# Altium PCB ble_lock_2020-10-10.PcbDoc (part 2 of 5)
Units mm, origin at the board's own origin, x right, y up, seen from the top; angles counter-clockwise.
Board outline 58 x 27 mm, 2 copper layers (Top Layer, Bottom Layer); 590 components, 46 nets, 1844 pads, 2190 vias.
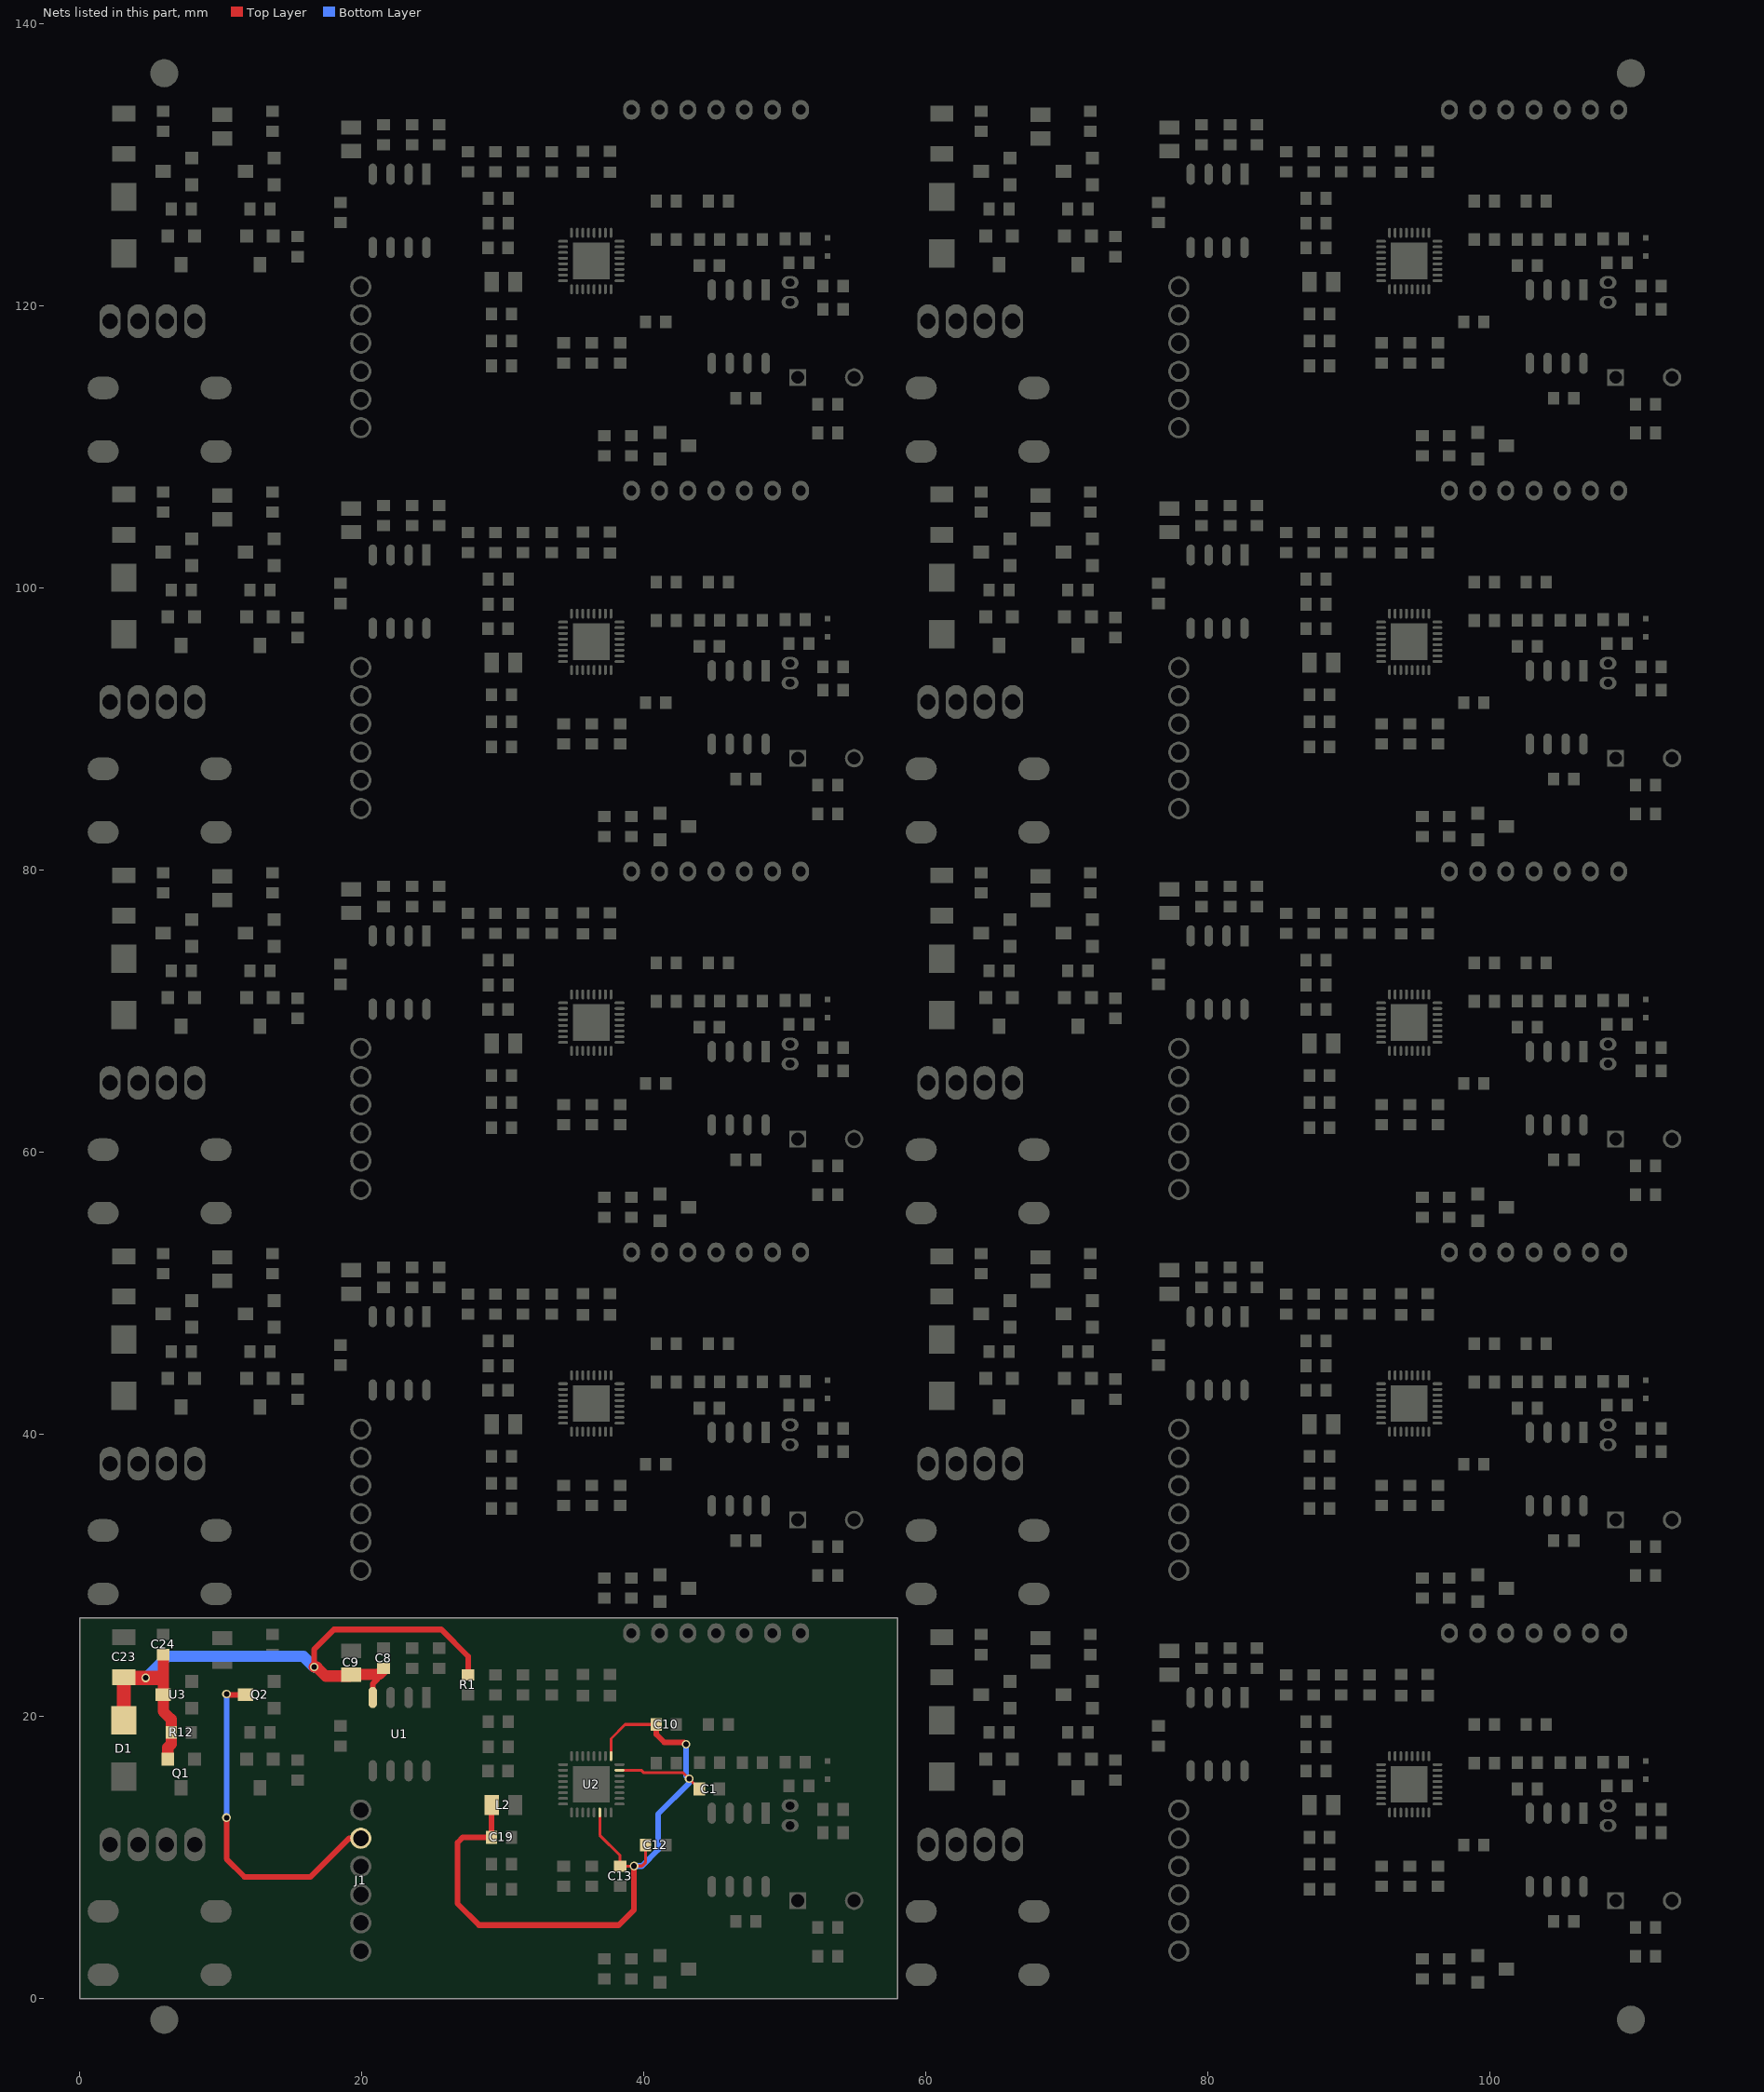
[diagram p2: the nets of this part, all layers, seen from the top]

## Via types
v1: diameter 0.6, hole 0.4, Top Layer to Bottom Layer, 2190 vias

## Nets (pads, with @x,y where several pads share a name; then routed paths per layer and width w, separated by ;. In a path a pad name is that pad's centre, name@x,y a point inside that pad or via, vN(x,y) a via of type N, cw(c..) or ccw(c..) an arc to the next point about the centre after c; other vN are vias at no path point) (continued)
VBAT: C8.1@21.551,23.419 C9.1@19.265,22.971 C23.1@3.136,22.784 C24.1@5.93,24.384 D1.2@3.136,19.729 Q1.S@6.25,16.967 R1.1@27.552,22.936 R12.1@6.489,18.872 U1.4@20.789,21.345 U3.3@5.93,21.539 | length 49
  Top Layer w0.4: v1(16.637,23.495) 16.637,24.765 18.034,26.162 25.654,26.162 27.552,24.264 R1.1@27.552,22.936 ; U1.4@20.789,21.345 20.789,22.313 21.551,23.075 C8.1@21.551,23.297
  Top Layer w0.8: C24.1@5.93,24.384 U3.3@5.93,21.539 5.93,20.359 6.489,19.8 R12.1@6.489,18.872 6.489,18.046 6.25,17.807 Q1.S@6.25,16.967 ; v1(16.637,23.495) 16.811,23.495 17.446,22.86 19.154,22.86 C9.1@19.265,22.971 21.225,22.971 21.551,23.297 C8.1@21.551,23.419
  Top Layer w1: D1.2@3.136,19.729 C23.1@3.136,22.784 3.187,22.733 v1(4.699,22.733) 5.842,22.733
  Bottom Layer w0.8: v1(4.699,22.733) 6.223,24.257 15.875,24.257 v1(16.637,23.495)
VDD: C1.2@43.944,14.859 C10.2@40.896,19.431 C12.2@40.144,10.871 C13.2@38.324,9.382 C19.2@29.212,11.43 L2.1@29.212,13.716 U2.1@37.683,17.189 U2.22@36.883,13.189 U2.31@38.283,16.189 | length 58.3
  Top Layer w0.2: U2.22@36.883,13.189 36.883,11.582 38.324,10.141 C13.2@38.324,9.382 v1@39.311,9.382 ; U2.1@37.683,17.189 37.683,18.428 38.686,19.431 C10.2@40.896,19.431 ; U2.31@38.283,16.189 39.82,16.189 40.009,16 42.803,16 v1(43.22,15.583) C1.2@43.944,14.859 ; v1(39.321,9.398) 39.878,9.398 40.144,9.664 C12.2@40.144,10.871
  Top Layer w0.4: L2.1@29.212,13.716 C19.2@29.212,11.43 27.178,11.43 26.797,11.049 26.797,6.731 28.321,5.207 38.227,5.207 39.311,6.291 39.311,9.382 39.311,9.388 v1(39.321,9.398) ; C10.2@40.896,19.431 40.896,18.72 41.455,18.161 42.877,18.161 v1(43.004,18.034)
  Bottom Layer w0.4: v1(39.321,9.398) 39.878,9.398 41.021,10.541 41.021,13.081 43.22,15.28 v1(43.22,15.583) 43.004,15.799 v1(43.004,18.034)
VDD3V3: J1.2@19.939,11.366 Q2.D@11.772,21.539 | length 24.2
  Top Layer w0.4: v1(10.414,12.827) 10.414,9.906 11.684,8.636 16.383,8.636 19.113,11.366 J1.2@19.939,11.366 ; v1(10.414,21.59) 10.465,21.539 Q2.D@11.772,21.539
  Bottom Layer w0.4: v1(10.414,12.827) v1(10.414,21.59)
pads on no net: BZ1.1@50.92,33.934 BZ1.1@50.92,60.934 BZ1.1@50.92,87.934 BZ1.1@50.92,114.934 BZ1.1@108.92,6.934 BZ1.1@108.92,33.934 BZ1.1@108.92,60.934 BZ1.1@108.92,87.934 BZ1.1@108.92,114.934 BZ1.2@54.92,33.934 BZ1.2@54.92,60.934 BZ1.2@54.92,87.934 BZ1.2@54.92,114.934 BZ1.2@112.92,6.934 BZ1.2@112.92,33.934 BZ1.2@112.92,60.934 BZ1.2@112.92,87.934 BZ1.2@112.92,114.934 C1.1@45.366,41.859 C1.1@45.366,68.859 C1.1@45.366,95.859 C1.1@45.366,122.859 C1.1@103.366,14.859 C1.1@103.366,41.859 C1.1@103.366,68.859 C1.1@103.366,95.859 C1.1@103.366,122.859 C1.2@43.944,41.859 C1.2@43.944,68.859 C1.2@43.944,95.859 C1.2@43.944,122.859 C1.2@101.944,14.859 C1.2@101.944,41.859 C1.2@101.944,68.859 C1.2@101.944,95.859 C1.2@101.944,122.859 C2.1@48.424,43.713 C2.1@48.424,70.713 C2.1@48.424,97.713 C2.1@48.424,124.713 C2.1@106.424,16.713 C2.1@106.424,43.713 C2.1@106.424,70.713 C2.1@106.424,97.713 C2.1@106.424,124.713 C2.2@47.002,43.713 C2.2@47.002,70.713 C2.2@47.002,97.713 C2.2@47.002,124.713 C2.2@105.002,16.713 C2.2@105.002,43.713 C2.2@105.002,70.713 C2.2@105.002,97.713 C2.2@105.002,124.713 C3.1@51.462,43.764 C3.1@51.462,70.764 C3.1@51.462,97.764 C3.1@51.462,124.764 C3.1@109.462,16.764 C3.1@109.462,43.764 C3.1@109.462,70.764 C3.1@109.462,97.764 C3.1@109.462,124.764 C3.2@50.04,43.764 C3.2@50.04,70.764 C3.2@50.04,97.764 C3.2@50.04,124.764 C3.2@108.04,16.764 C3.2@108.04,43.764 C3.2@108.04,70.764 C3.2@108.04,97.764 C3.2@108.04,124.764 C4.1@43.954,43.713 C4.1@43.954,70.713 C4.1@43.954,97.713 C4.1@43.954,124.713 C4.1@101.954,16.713 C4.1@101.954,43.713 C4.1@101.954,70.713 C4.1@101.954,97.713 C4.1@101.954,124.713 C4.2@45.376,43.713 C4.2@45.376,70.713 C4.2@45.376,97.713 C4.2@45.376,124.713 C4.2@103.376,16.713 C4.2@103.376,43.713 C4.2@103.376,70.713 C4.2@103.376,97.713 C4.2@103.376,124.713 C5.1@31.447,49.936 C5.1@31.447,76.936 C5.1@31.447,103.936 C5.1@31.447,130.936 C5.1@89.447,22.936 C5.1@89.447,49.936 C5.1@89.447,76.936 C5.1@89.447,103.936 C5.1@89.447,130.936 C5.2@31.447,48.514 C5.2@31.447,75.514 C5.2@31.447,102.514 C5.2@31.447,129.514 C5.2@89.447,21.514 C5.2@89.447,48.514 C5.2@89.447,75.514 C5.2@89.447,102.514 C5.2@89.447,129.514 C6.1@50.304,42.062 C6.1@50.304,69.062 C6.1@50.304,96.062 C6.1@50.304,123.062 C6.1@108.304,15.062 C6.1@108.304,42.062 C6.1@108.304,69.062 C6.1@108.304,96.062 C6.1@108.304,123.062 C6.2@51.726,42.062 C6.2@51.726,69.062 C6.2@51.726,96.062 C6.2@51.726,123.062 C6.2@109.726,15.062 C6.2@109.726,42.062 C6.2@109.726,69.062 C6.2@109.726,96.062 C6.2@109.726,123.062 C7.1@44.579,46.431 C7.1@44.579,73.431 C7.1@44.579,100.431 C7.1@44.579,127.431 C7.1@102.579,19.431 C7.1@102.579,46.431 C7.1@102.579,73.431 C7.1@102.579,100.431 C7.1@102.579,127.431 C7.2@46.001,46.431 C7.2@46.001,73.431 C7.2@46.001,100.431 C7.2@46.001,127.431 C7.2@104.001,19.431 C7.2@104.001,46.431 C7.2@104.001,73.431 C7.2@104.001,100.431 C7.2@104.001,127.431 C8.1@21.551,50.419 C8.1@21.551,77.419 C8.1@21.551,104.419 C8.1@21.551,131.419 C8.1@79.551,23.419 C8.1@79.551,50.419 C8.1@79.551,77.419 C8.1@79.551,104.419 C8.1@79.551,131.419 C8.2@21.551,51.841 C8.2@21.551,78.841 C8.2@21.551,105.841 C8.2@21.551,132.841 C8.2@79.551,24.841 C8.2@79.551,51.841 C8.2@79.551,78.841 C8.2@79.551,105.841 C8.2@79.551,132.841 C9.1@19.265,49.971 C9.1@19.265,76.971 C9.1@19.265,103.971 C9.1@19.265,130.971 C9.1@77.265,22.971 C9.1@77.265,49.971 C9.1@77.265,76.971 C9.1@77.265,103.971 C9.1@77.265,130.971 C9.2@19.265,51.648 C9.2@19.265,78.648 C9.2@19.265,105.648 C9.2@19.265,132.648 C9.2@77.265,24.648 C9.2@77.265,51.648 C9.2@77.265,78.648 C9.2@77.265,105.648 C9.2@77.265,132.648 C10.1@42.318,46.431 C10.1@42.318,73.431 C10.1@42.318,100.431 C10.1@42.318,127.431 C10.1@100.318,19.431 C10.1@100.318,46.431 C10.1@100.318,73.431 C10.1@100.318,100.431 C10.1@100.318,127.431 C10.2@40.896,46.431 C10.2@40.896,73.431 C10.2@40.896,100.431 C10.2@40.896,127.431 C10.2@98.896,19.431 C10.2@98.896,46.431 C10.2@98.896,73.431 C10.2@98.896,100.431 C10.2@98.896,127.431 C11.1@36.325,36.382 C11.1@36.325,63.382 C11.1@36.325,90.382 C11.1@36.325,117.382 C11.1@94.325,9.382 C11.1@94.325,36.382 C11.1@94.325,63.382 C11.1@94.325,90.382 C11.1@94.325,117.382 C11.2@36.325,34.96 C11.2@36.325,61.96 C11.2@36.325,88.96 C11.2@36.325,115.96 C11.2@94.325,7.96 C11.2@94.325,34.96 C11.2@94.325,61.96 C11.2@94.325,88.96 C11.2@94.325,115.96 C12.1@41.566,37.871 C12.1@41.566,64.871 C12.1@41.566,91.871 C12.1@41.566,118.871 C12.1@99.566,10.871 C12.1@99.566,37.871 C12.1@99.566,64.871 C12.1@99.566,91.871 C12.1@99.566,118.871 C12.2@40.144,37.871 C12.2@40.144,64.871 C12.2@40.144,91.871 C12.2@40.144,118.871 C12.2@98.144,10.871 C12.2@98.144,37.871 C12.2@98.144,64.871 C12.2@98.144,91.871 C12.2@98.144,118.871 C13.1@38.324,34.96 C13.1@38.324,61.96 C13.1@38.324,88.96 C13.1@38.324,115.96 C13.1@96.324,7.96 C13.1@96.324,34.96 C13.1@96.324,61.96 C13.1@96.324,88.96 C13.1@96.324,115.96 C13.2@38.324,36.382 C13.2@38.324,63.382 C13.2@38.324,90.382 C13.2@38.324,117.382 C13.2@96.324,9.382 C13.2@96.324,36.382 C13.2@96.324,63.382 C13.2@96.324,90.382 C13.2@96.324,117.382 C14.1@53.758,32.029 C14.1@53.758,59.029 C14.1@53.758,86.029 C14.1@53.758,113.029 C14.1@111.758,5.029 C14.1@111.758,32.029 C14.1@111.758,59.029 C14.1@111.758,86.029 C14.1@111.758,113.029 C14.2@52.336,32.029 C14.2@52.336,59.029 C14.2@52.336,86.029 C14.2@52.336,113.029 C14.2@110.336,5.029 C14.2@110.336,32.029 C14.2@110.336,59.029 C14.2@110.336,86.029 C14.2@110.336,113.029 C15.1@33.479,49.936 C15.1@33.479,76.936 C15.1@33.479,103.936 C15.1@33.479,130.936 C15.1@91.479,22.936 C15.1@91.479,49.936 C15.1@91.479,76.936 C15.1@91.479,103.936 C15.1@91.479,130.936 C15.2@33.479,48.514 C15.2@33.479,75.514 C15.2@33.479,102.514 C15.2@33.479,129.514 C15.2@91.479,21.514 C15.2@91.479,48.514 C15.2@91.479,75.514 C15.2@91.479,102.514 C15.2@91.479,129.514 C16.1@34.327,36.382 C16.1@34.327,63.382 C16.1@34.327,90.382 C16.1@34.327,117.382 C16.1@92.327,9.382 C16.1@92.327,36.382 C16.1@92.327,63.382 C16.1@92.327,90.382 C16.1@92.327,117.382 C16.2@34.327,34.96 C16.2@34.327,61.96 C16.2@34.327,88.96 C16.2@34.327,115.96 C16.2@92.327,7.96 C16.2@92.327,34.96 C16.2@92.327,61.96 C16.2@92.327,88.96 C16.2@92.327,115.96 C17.1@30.634,36.525 C17.1@30.634,63.525 C17.1@30.634,90.525 C17.1@30.634,117.525 C17.1@88.634,9.525 C17.1@88.634,36.525 C17.1@88.634,63.525 C17.1@88.634,90.525 C17.1@88.634,117.525 C17.2@29.212,36.525 C17.2@29.212,63.525 C17.2@29.212,90.525 C17.2@29.212,117.525 C17.2@87.212,9.525 C17.2@87.212,36.525 C17.2@87.212,63.525 C17.2@87.212,90.525 C17.2@87.212,117.525 C18.1@30.634,34.747 C18.1@30.634,61.747 C18.1@30.634,88.747 C18.1@30.634,115.747 C18.1@88.634,7.747 C18.1@88.634,34.747 C18.1@88.634,61.747 C18.1@88.634,88.747 C18.1@88.634,115.747 C18.2@29.212,34.747 C18.2@29.212,61.747 C18.2@29.212,88.747 C18.2@29.212,115.747 C18.2@87.212,7.747 C18.2@87.212,34.747 C18.2@87.212,61.747 C18.2@87.212,88.747 C18.2@87.212,115.747 C19.1@30.634,38.43 C19.1@30.634,65.43 C19.1@30.634,92.43 C19.1@30.634,119.43 C19.1@88.634,11.43 C19.1@88.634,38.43 C19.1@88.634,65.43 C19.1@88.634,92.43 C19.1@88.634,119.43 C19.2@29.212,38.43 C19.2@29.212,65.43 C19.2@29.212,92.43 C19.2@29.212,119.43 C19.2@87.212,11.43 C19.2@87.212,38.43 C19.2@87.212,65.43 C19.2@87.212,92.43 C19.2@87.212,119.43 C20.1@47.955,32.461 C20.1@47.955,59.461 C20.1@47.955,86.461 C20.1@47.955,113.461 C20.1@105.955,5.461 C20.1@105.955,32.461 C20.1@105.955,59.461 C20.1@105.955,86.461 C20.1@105.955,113.461 C20.2@46.533,32.461 C20.2@46.533,59.461 C20.2@46.533,86.461 C20.2@46.533,113.461 C20.2@104.533,5.461 C20.2@104.533,32.461 C20.2@104.533,59.461 C20.2@104.533,86.461 C20.2@104.533,113.461 C21.1@52.717,40.411 C21.1@52.717,67.411 C21.1@52.717,94.411 C21.1@52.717,121.411 C21.1@110.717,13.411 C21.1@110.717,40.411 C21.1@110.717,67.411 C21.1@110.717,94.411 C21.1@110.717,121.411 C21.2@54.139,40.411 C21.2@54.139,67.411 C21.2@54.139,94.411 C21.2@54.139,121.411 C21.2@112.139,13.411 C21.2@112.139,40.411 C21.2@112.139,67.411 C21.2@112.139,94.411 C21.2@112.139,121.411 C22.1@54.139,38.76 C22.1@54.139,65.76 C22.1@54.139,92.76 C22.1@54.139,119.76 C22.1@112.139,11.76 C22.1@112.139,38.76 C22.1@112.139,65.76 C22.1@112.139,92.76 C22.1@112.139,119.76 C22.2@52.717,38.76 C22.2@52.717,65.76 C22.2@52.717,92.76 C22.2@52.717,119.76 C22.2@110.717,11.76 C22.2@110.717,38.76 C22.2@110.717,65.76 C22.2@110.717,92.76 C22.2@110.717,119.76 C23.1@3.136,49.784 C23.1@3.136,76.784 C23.1@3.136,103.784 C23.1@3.136,130.784 C23.1@61.136,22.784 C23.1@61.136,49.784 C23.1@61.136,76.784 C23.1@61.136,103.784 C23.1@61.136,130.784 C23.2@3.136,52.628 C23.2@3.136,79.628 C23.2@3.136,106.628 C23.2@3.136,133.628 C23.2@61.136,25.628 C23.2@61.136,52.628 C23.2@61.136,79.628 C23.2@61.136,106.628 C23.2@61.136,133.628 C24.1@5.93,51.384 C24.1@5.93,78.384 C24.1@5.93,105.384 C24.1@5.93,132.384 C24.1@63.93,24.384 C24.1@63.93,51.384 C24.1@63.93,78.384 C24.1@63.93,105.384 C24.1@63.93,132.384 C24.2@5.93,52.806 C24.2@5.93,79.806 C24.2@5.93,106.806 C24.2@5.93,133.806 C24.2@63.93,25.806 C24.2@63.93,52.806 C24.2@63.93,79.806 C24.2@63.93,106.806 C24.2@63.93,133.806 C25.1@10.121,50.876 C25.1@10.121,77.876 C25.1@10.121,104.876 C25.1@10.121,131.876 C25.1@68.121,23.876 C25.1@68.121,50.876 C25.1@68.121,77.876 C25.1@68.121,104.876 C25.1@68.121,131.876 C25.2@10.121,52.552 C25.2@10.121,79.552 C25.2@10.121,106.552 C25.2@10.121,133.552 C25.2@68.121,25.552 C25.2@68.121,52.552 C25.2@68.121,79.552 C25.2@68.121,106.552 C25.2@68.121,133.552 C26.1@13.677,51.384 C26.1@13.677,78.384 C26.1@13.677,105.384 C26.1@13.677,132.384 C26.1@71.677,24.384 C26.1@71.677,51.384 C26.1@71.677,78.384 C26.1@71.677,105.384 C26.1@71.677,132.384 C26.2@13.677,52.806 C26.2@13.677,79.806 C26.2@13.677,106.806 C26.2@13.677,133.806 C26.2@71.677,25.806 C26.2@71.677,52.806 C26.2@71.677,79.806 C26.2@71.677,106.806 C26.2@71.677,133.806 D1.1@3.136,42.729 D1.1@3.136,69.729 D1.1@3.136,96.729 D1.1@3.136,123.729 D1.1@61.136,15.729 D1.1@61.136,42.729 D1.1@61.136,69.729 D1.1@61.136,96.729 D1.1@61.136,123.729 D1.2@3.136,46.729 D1.2@3.136,73.729 D1.2@3.136,100.729 D1.2@3.136,127.729 D1.2@61.136,19.729 D1.2@61.136,46.729 D1.2@61.136,73.729 D1.2@61.136,100.729 D1.2@61.136,127.729 J1.1 J1.2@19.939,38.366 J1.2@19.939,65.366 J1.2@19.939,92.366 J1.2@19.939,119.366 J1.2@77.939,11.366 J1.2@77.939,38.366 J1.2@77.939,65.366 J1.2@77.939,92.366 J1.2@77.939,119.366 J1.3@19.939,36.366 J1.3@19.939,63.366 J1.3@19.939,90.366 J1.3@19.939,117.366 J1.3@77.939,9.366 J1.3@77.939,36.366 J1.3@77.939,63.366 J1.3@77.939,90.366 J1.3@77.939,117.366 J1.4@19.939,34.366 J1.4@19.939,61.366 J1.4@19.939,88.366 J1.4@19.939,115.366 J1.4@77.939,7.366 J1.4@77.939,34.366 J1.4@77.939,61.366 J1.4@77.939,88.366 J1.4@77.939,115.366 J1.5 J1.6 J2.1@51.132,52.908 J2.1@51.132,79.908 J2.1@51.132,106.908 J2.1@51.132,133.908 J2.1@109.132,25.908 J2.1@109.132,52.908 J2.1@109.132,79.908 J2.1@109.132,106.908 J2.1@109.132,133.908 J2.2@49.132,52.908 J2.2@49.132,79.908 J2.2@49.132,106.908 J2.2@49.132,133.908 J2.2@107.132,25.908 J2.2@107.132,52.908 J2.2@107.132,79.908 J2.2@107.132,106.908 J2.2@107.132,133.908 J2.3@47.132,52.908 J2.3@47.132,79.908 J2.3@47.132,106.908 J2.3@47.132,133.908 J2.3@105.132,25.908 J2.3@105.132,52.908 J2.3@105.132,79.908 J2.3@105.132,106.908 J2.3@105.132,133.908 J2.4@45.132,52.908 J2.4@45.132,79.908 J2.4@45.132,106.908 J2.4@45.132,133.908 J2.4@103.132,25.908 J2.4@103.132,52.908 J2.4@103.132,79.908 J2.4@103.132,106.908 J2.4@103.132,133.908 J2.5@43.132,52.908 J2.5@43.132,79.908 J2.5@43.132,106.908 J2.5@43.132,133.908 J2.5@101.132,25.908 J2.5@101.132,52.908 J2.5@101.132,79.908 J2.5@101.132,106.908 J2.5@101.132,133.908 J2.6@41.132,52.908 J2.6@41.132,79.908 J2.6@41.132,106.908 J2.6@41.132,133.908 J2.6@99.132,25.908 J2.6@99.132,52.908 J2.6@99.132,79.908 J2.6@99.132,106.908 J2.6@99.132,133.908 J2.7@39.132,52.908 J2.7@39.132,79.908 J2.7@39.132,106.908 J2.7@39.132,133.908 J2.7@97.132,25.908 J2.7@97.132,52.908 J2.7@97.132,79.908 J2.7@97.132,106.908 J2.7@97.132,133.908 J3.1@2.159,37.922 J3.1@2.159,64.922 J3.1@2.159,91.922 J3.1@2.159,118.922 J3.1@60.159,10.922 J3.1@60.159,37.922 J3.1@60.159,64.922 J3.1@60.159,91.922 J3.1@60.159,118.922 J3.2@4.159,37.922 J3.2@4.159,64.922 J3.2@4.159,91.922 J3.2@4.159,118.922 J3.2@62.159,10.922 J3.2@62.159,37.922 J3.2@62.159,64.922 J3.2@62.159,91.922 J3.2@62.159,118.922 J3.3@6.159,37.922 J3.3@6.159,64.922 J3.3@6.159,91.922 J3.3@6.159,118.922 J3.3@64.159,10.922 J3.3@64.159,37.922 J3.3@64.159,64.922 J3.3@64.159,91.922 J3.3@64.159,118.922 J3.4@8.159,37.922 J3.4@8.159,64.922 J3.4@8.159,91.922 J3.4@8.159,118.922 J3.4@66.159,10.922 J3.4@66.159,37.922 J3.4@66.159,64.922 J3.4@66.159,91.922 J3.4@66.159,118.922 L1.1@42.318,43.702 L1.1@42.318,70.702 L1.1@42.318,97.702 L1.1@42.318,124.702 L1.1@100.318,16.702 L1.1@100.318,43.702 L1.1@100.318,70.702 L1.1@100.318,97.702 L1.1@100.318,124.702 L1.2@40.896,43.702 L1.2@40.896,70.702 L1.2@40.896,97.702 L1.2@40.896,124.702 L1.2@98.896,16.702 L1.2@98.896,43.702 L1.2@98.896,70.702 L1.2@98.896,97.702 L1.2@98.896,124.702 L2.1@29.212,40.716 L2.1@29.212,67.716 L2.1@29.212,94.716 L2.1@29.212,121.716 L2.1@87.212,13.716 L2.1@87.212,40.716 L2.1@87.212,67.716 L2.1@87.212,94.716 L2.1@87.212,121.716 L2.2@30.888,40.716 L2.2@30.888,67.716 L2.2@30.888,94.716 L2.2@30.888,121.716 L2.2@88.888,13.716 L2.2@88.888,40.716 L2.2@88.888,67.716 L2.2@88.888,94.716 L2.2@88.888,121.716 Q1.D@7.2,41.935 Q1.D@7.2,68.935 Q1.D@7.2,95.935 Q1.D@7.2,122.935 Q1.D@65.2,14.935 Q1.D@65.2,41.935 Q1.D@65.2,68.935 Q1.D@65.2,95.935 Q1.D@65.2,122.935 Q1.G@8.15,43.967 Q1.G@8.15,70.967 Q1.G@8.15,97.967 Q1.G@8.15,124.967 Q1.G@66.15,16.967 Q1.G@66.15,43.967 Q1.G@66.15,70.967 Q1.G@66.15,97.967 Q1.G@66.15,124.967 Q1.S@6.25,43.967 Q1.S@6.25,70.967 Q1.S@6.25,97.967 Q1.S@6.25,124.967 Q1.S@64.25,16.967 Q1.S@64.25,43.967 Q1.S@64.25,70.967 Q1.S@64.25,97.967 Q1.S@64.25,124.967 Q2.D@11.772,48.539 Q2.D@11.772,75.539 Q2.D@11.772,102.539 Q2.D@11.772,129.539 Q2.D@69.772,21.539 Q2.D@69.772,48.539 Q2.D@69.772,75.539 Q2.D@69.772,102.539 Q2.D@69.772,129.539 Q2.G@13.804,47.589 Q2.G@13.804,74.589 Q2.G@13.804,101.589 Q2.G@13.804,128.589 Q2.G@71.804,20.589 Q2.G@71.804,47.589 Q2.G@71.804,74.589 Q2.G@71.804,101.589 Q2.G@71.804,128.589 Q2.S@13.804,49.489 Q2.S@13.804,76.489 Q2.S@13.804,103.489 Q2.S@13.804,130.489 Q2.S@71.804,22.489 Q2.S@71.804,49.489 Q2.S@71.804,76.489 Q2.S@71.804,103.489 Q2.S@71.804,130.489 Q3.B@13.738,43.967 Q3.B@13.738,70.967 Q3.B@13.738,97.967 Q3.B@13.738,124.967 Q3.B@71.738,16.967 Q3.B@71.738,43.967 Q3.B@71.738,70.967 Q3.B@71.738,97.967 Q3.B@71.738,124.967 Q3.C@12.788,41.935 Q3.C@12.788,68.935 Q3.C@12.788,95.935 Q3.C@12.788,122.935 Q3.C@70.788,14.935 Q3.C@70.788,41.935 Q3.C@70.788,68.935 Q3.C@70.788,95.935 Q3.C@70.788,122.935 Q3.E@11.838,43.967 Q3.E@11.838,70.967 Q3.E@11.838,97.967 Q3.E@11.838,124.967 Q3.E@69.838,16.967 Q3.E@69.838,43.967 Q3.E@69.838,70.967 Q3.E@69.838,97.967 Q3.E@69.838,124.967 Q4.1@41.148,30.043 Q4.1@41.148,57.043 Q4.1@41.148,84.043 Q4.1@41.148,111.043 Q4.1@99.148,3.043 Q4.1@99.148,30.043 Q4.1@99.148,57.043 Q4.1@99.148,84.043 Q4.1@99.148,111.043 Q4.2@41.148,28.143 Q4.2@41.148,55.143 Q4.2@41.148,82.143 Q4.2@41.148,109.143 Q4.2@99.148,1.143 Q4.2@99.148,28.143 Q4.2@99.148,55.143 Q4.2@99.148,82.143 Q4.2@99.148,109.143 Q4.3@43.18,29.093 Q4.3@43.18,56.093 Q4.3@43.18,83.093 Q4.3@43.18,110.093 Q4.3@101.18,2.093 Q4.3@101.18,29.093 Q4.3@101.18,56.093 Q4.3@101.18,83.093 Q4.3@101.18,110.093 R1.1@27.552,49.936 R1.1@27.552,76.936 R1.1@27.552,103.936 R1.1@27.552,130.936 R1.1@85.552,22.936 R1.1@85.552,49.936 R1.1@85.552,76.936 R1.1@85.552,103.936 R1.1@85.552,130.936 R1.2@27.552,48.514 R1.2@27.552,75.514 R1.2@27.552,102.514 R1.2@27.552,129.514 R1.2@85.552,21.514 R1.2@85.552,48.514 R1.2@85.552,75.514 R1.2@85.552,102.514 R1.2@85.552,129.514 R2.1@29.5,48.514 R2.1@29.5,75.514 R2.1@29.5,102.514 R2.1@29.5,129.514 R2.1@87.5,21.514 R2.1@87.5,48.514 R2.1@87.5,75.514 R2.1@87.5,102.514 R2.1@87.5,129.514 R2.2@29.5,49.936 R2.2@29.5,76.936 R2.2@29.5,103.936 R2.2@29.5,130.936 R2.2@87.5,22.936 R2.2@87.5,49.936 R2.2@87.5,76.936 R2.2@87.5,103.936 R2.2@87.5,130.936 R3.1@23.583,51.841 R3.1@23.583,78.841 R3.1@23.583,105.841 R3.1@23.583,132.841 R3.1@81.583,24.841 R3.1@81.583,51.841 R3.1@81.583,78.841 R3.1@81.583,105.841 R3.1@81.583,132.841 R3.2@23.583,50.419 R3.2@23.583,77.419 R3.2@23.583,104.419 R3.2@23.583,131.419 R3.2@81.583,23.419 R3.2@81.583,50.419 R3.2@81.583,77.419 R3.2@81.583,104.419 R3.2@81.583,131.419 R4.1@25.488,51.841 R4.1@25.488,78.841 R4.1@25.488,105.841 R4.1@25.488,132.841 R4.1@83.488,24.841 R4.1@83.488,51.841 R4.1@83.488,78.841 R4.1@83.488,105.841 R4.1@83.488,132.841 R4.2@25.488,50.419 R4.2@25.488,77.419 R4.2@25.488,104.419 R4.2@25.488,131.419 R4.2@83.488,23.419 R4.2@83.488,50.419 R4.2@83.488,77.419 R4.2@83.488,104.419 R4.2@83.488,131.419 R7.1@52.336,29.997 R7.1@52.336,56.997 R7.1@52.336,83.997 R7.1@52.336,110.997 R7.1@110.336,2.997 R7.1@110.336,29.997 R7.1@110.336,56.997 R7.1@110.336,83.997 R7.1@110.336,110.997 R7.2@53.758,29.997 R7.2@53.758,56.997 R7.2@53.758,83.997 R7.2@53.758,110.997 R7.2@111.758,2.997 R7.2@111.758,29.997 R7.2@111.758,56.997 R7.2@111.758,83.997 R7.2@111.758,110.997 R8.1@37.211,29.804 R8.1@37.211,56.804 R8.1@37.211,83.804 R8.1@37.211,110.804 R8.1@95.211,2.804 R8.1@95.211,29.804 R8.1@95.211,56.804 R8.1@95.211,83.804 R8.1@95.211,110.804 R8.2@37.211,28.382 R8.2@37.211,55.382 R8.2@37.211,82.382 R8.2@37.211,109.382 R8.2@95.211,1.382 R8.2@95.211,28.382 R8.2@95.211,55.382 R8.2@95.211,82.382 R8.2@95.211,109.382 R9.1@39.116,29.804 R9.1@39.116,56.804 R9.1@39.116,83.804 R9.1@39.116,110.804 R9.1@97.116,2.804 R9.1@97.116,29.804 R9.1@97.116,56.804 R9.1@97.116,83.804 R9.1@97.116,110.804 R9.2@39.116,28.382 R9.2@39.116,55.382 R9.2@39.116,82.382 R9.2@39.116,109.382 R9.2@97.116,1.382 R9.2@97.116,28.382 R9.2@97.116,55.382 R9.2@97.116,82.382 R9.2@97.116,109.382 R10.1@30.39,44.856 R10.1@30.39,71.856 R10.1@30.39,98.856 R10.1@30.39,125.856 R10.1@88.39,17.856 R10.1@88.39,44.856 R10.1@88.39,71.856 R10.1@88.39,98.856 R10.1@88.39,125.856 R10.2@28.968,44.856 R10.2@28.968,71.856 R10.2@28.968,98.856 R10.2@28.968,125.856 R10.2@86.968,17.856 R10.2@86.968,44.856 R10.2@86.968,71.856 R10.2@86.968,98.856 R10.2@86.968,125.856 R11.1@30.39,46.634 R11.1@30.39,73.634 R11.1@30.39,100.634 R11.1@30.39,127.634 R11.1@88.39,19.634 R11.1@88.39,46.634 R11.1@88.39,73.634 R11.1@88.39,100.634 R11.1@88.39,127.634 R11.2@28.968,46.634 R11.2@28.968,73.634 R11.2@28.968,100.634 R11.2@28.968,127.634 R11.2@86.968,19.634 R11.2@86.968,46.634 R11.2@86.968,73.634 R11.2@86.968,100.634 R11.2@86.968,127.634 R12.1@6.489,45.872 R12.1@6.489,72.872 R12.1@6.489,99.872 R12.1@6.489,126.872 R12.1@64.489,18.872 R12.1@64.489,45.872 R12.1@64.489,72.872 R12.1@64.489,99.872 R12.1@64.489,126.872 R12.2@7.911,45.872 R12.2@7.911,72.872 R12.2@7.911,99.872 R12.2@7.911,126.872 R12.2@65.911,18.872 R12.2@65.911,45.872 R12.2@65.911,72.872 R12.2@65.911,99.872 R12.2@65.911,126.872 R13.1@13.499,45.872 R13.1@13.499,72.872 R13.1@13.499,99.872 R13.1@13.499,126.872 R13.1@71.499,18.872 R13.1@71.499,45.872 R13.1@71.499,72.872 R13.1@71.499,99.872 R13.1@71.499,126.872 R13.2@12.077,45.872 R13.2@12.077,72.872 R13.2@12.077,99.872 R13.2@12.077,126.872 R13.2@70.077,18.872 R13.2@70.077,45.872 R13.2@70.077,72.872 R13.2@70.077,99.872 R13.2@70.077,126.872 R14.1@28.958,43.129 R14.1@28.958,70.129 R14.1@28.958,97.129 R14.1@28.958,124.129 R14.1@86.958,16.129 R14.1@86.958,43.129 R14.1@86.958,70.129 R14.1@86.958,97.129 R14.1@86.958,124.129 R14.2@30.38,43.129 R14.2@30.38,70.129 R14.2@30.38,97.129 R14.2@30.38,124.129 R14.2@88.38,16.129 R14.2@88.38,43.129 R14.2@88.38,70.129 R14.2@88.38,97.129 R14.2@88.38,124.129 R15.1@15.455,43.916 R15.1@15.455,70.916 R15.1@15.455,97.916 R15.1@15.455,124.916 R15.1@73.455,16.916 R15.1@73.455,43.916 R15.1@73.455,70.916 R15.1@73.455,97.916 R15.1@73.455,124.916 R15.2@15.455,42.494 R15.2@15.455,69.494 R15.2@15.455,96.494 R15.2@15.455,123.494 R15.2@73.455,15.494 R15.2@73.455,42.494 R15.2@73.455,69.494 R15.2@73.455,96.494 R15.2@73.455,123.494 R16.1@18.503,46.329 R16.1@18.503,73.329 R16.1@18.503,100.329 R16.1@18.503,127.329 R16.1@76.503,19.329 R16.1@76.503,46.329 R16.1@76.503,73.329 R16.1@76.503,100.329 R16.1@76.503,127.329 R16.2@18.503,44.907 R16.2@18.503,71.907 R16.2@18.503,98.907 R16.2@18.503,125.907 R16.2@76.503,17.907 R16.2@76.503,44.907 R16.2@76.503,71.907 R16.2@76.503,98.907 R16.2@76.503,125.907 S1.1@1.676,28.687 S1.1@1.676,55.687 S1.1@1.676,82.687 S1.1@1.676,109.687 S1.1@9.676,28.687 S1.1@9.676,55.687 S1.1@9.676,82.687 S1.1@9.676,109.687 S1.1@59.676,1.687 S1.1@59.676,28.687 S1.1@59.676,55.687 S1.1@59.676,82.687 S1.1@59.676,109.687 S1.1@67.676,1.687 S1.1@67.676,28.687 S1.1@67.676,55.687 S1.1@67.676,82.687 S1.1@67.676,109.687 S1.2@1.676,33.187 S1.2@1.676,60.187 S1.2@1.676,87.187 S1.2@1.676,114.187 S1.2@9.676,33.187 S1.2@9.676,60.187 S1.2@9.676,87.187 S1.2@9.676,114.187 S1.2@59.676,6.187 S1.2@59.676,33.187 S1.2@59.676,60.187 S1.2@59.676,87.187 S1.2@59.676,114.187 S1.2@67.676,6.187 S1.2@67.676,33.187 S1.2@67.676,60.187 S1.2@67.676,87.187 S1.2@67.676,114.187 U1. U1.1 U1.2@23.329,48.345 U1.2@23.329,75.345 U1.2@23.329,102.345 U1.2@23.329,129.345 U1.2@81.329,21.345 U1.2@81.329,48.345 U1.2@81.329,75.345 U1.2@81.329,102.345 U1.2@81.329,129.345 U1.3@22.059,48.345 U1.3@22.059,75.345 U1.3@22.059,102.345 U1.3@22.059,129.345 U1.3@80.059,21.345 U1.3@80.059,48.345 U1.3@80.059,75.345 U1.3@80.059,102.345 U1.3@80.059,129.345 U1.4@20.789,48.345 U1.4@20.789,75.345 U1.4@20.789,102.345 U1.4@20.789,129.345 U1.4@78.789,21.345 U1.4@78.789,48.345 U1.4@78.789,75.345 U1.4@78.789,102.345 U1.4@78.789,129.345 U1.5@20.789,43.145 U1.5@20.789,70.145 U1.5@20.789,97.145 U1.5@20.789,124.145 U1.5@78.789,16.145 U1.5@78.789,43.145 U1.5@78.789,70.145 U1.5@78.789,97.145 U1.5@78.789,124.145 U1.6@22.059,43.145 U1.6@22.059,70.145 U1.6@22.059,97.145 U1.6@22.059,124.145 U1.6@80.059,16.145 U1.6@80.059,43.145 U1.6@80.059,70.145 U1.6@80.059,97.145 U1.6@80.059,124.145 U1.7@23.329,43.145 U1.7@23.329,70.145 U1.7@23.329,97.145 U1.7@23.329,124.145 U1.7@81.329,16.145 U1.7@81.329,43.145 U1.7@81.329,70.145 U1.7@81.329,97.145 U1.7@81.329,124.145 U1.8@24.599,43.145 U1.8@24.599,70.145 U1.8@24.599,97.145 U1.8@24.599,124.145 U1.8@82.599,16.145 U1.8@82.599,43.145 U1.8@82.599,70.145 U1.8@82.599,97.145 U1.8@82.599,124.145 U2.0 U2.1@37.683,44.189 U2.1@37.683,71.189 U2.1@37.683,98.189 U2.1@37.683,125.189 U2.1@95.683,17.189 U2.1@95.683,44.189 U2.1@95.683,71.189 U2.1@95.683,98.189 U2.1@95.683,125.189 U2.2@37.283,44.189 U2.2@37.283,71.189 U2.2@37.283,98.189 U2.2@37.283,125.189 U2.2@95.283,17.189 U2.2@95.283,44.189 U2.2@95.283,71.189 U2.2@95.283,98.189 U2.2@95.283,125.189 U2.3@36.883,44.189 U2.3@36.883,71.189 U2.3@36.883,98.189 U2.3@36.883,125.189 U2.3@94.883,17.189 U2.3@94.883,44.189 U2.3@94.883,71.189 U2.3@94.883,98.189 U2.3@94.883,125.189 U2.4@36.483,44.189 U2.4@36.483,71.189 U2.4@36.483,98.189 U2.4@36.483,125.189 U2.4@94.483,17.189 U2.4@94.483,44.189 U2.4@94.483,71.189 U2.4@94.483,98.189 U2.4@94.483,125.189 U2.5@36.083,44.189 U2.5@36.083,71.189 U2.5@36.083,98.189 U2.5@36.083,125.189 U2.5@94.083,17.189 U2.5@94.083,44.189 U2.5@94.083,71.189 U2.5@94.083,98.189 U2.5@94.083,125.189 U2.6@35.683,44.189 U2.6@35.683,71.189 U2.6@35.683,98.189 U2.6@35.683,125.189 U2.6@93.683,17.189 U2.6@93.683,44.189 U2.6@93.683,71.189 U2.6@93.683,98.189 U2.6@93.683,125.189 U2.7@35.283,44.189 U2.7@35.283,71.189 U2.7@35.283,98.189 U2.7@35.283,125.189 U2.7@93.283,17.189 U2.7@93.283,44.189 U2.7@93.283,71.189 U2.7@93.283,98.189 U2.7@93.283,125.189 U2.8@34.883,44.189 U2.8@34.883,71.189 U2.8@34.883,98.189 U2.8@34.883,125.189 U2.8@92.883,17.189 U2.8@92.883,44.189 U2.8@92.883,71.189 U2.8@92.883,98.189 U2.8@92.883,125.189 U2.9 U2.10@34.283,43.189 U2.10@34.283,70.189 U2.10@34.283,97.189 U2.10@34.283,124.189 U2.10@92.283,16.189 U2.10@92.283,43.189 U2.10@92.283,70.189 U2.10@92.283,97.189 U2.10@92.283,124.189 U2.11@34.283,42.789 U2.11@34.283,69.789 U2.11@34.283,96.789 U2.11@34.283,123.789 U2.11@92.283,15.789 U2.11@92.283,42.789 U2.11@92.283,69.789 U2.11@92.283,96.789 U2.11@92.283,123.789 U2.12 U2.13 U2.14@34.283,41.589 U2.14@34.283,68.589 U2.14@34.283,95.589 U2.14@34.283,122.589 U2.14@92.283,14.589 U2.14@92.283,41.589 U2.14@92.283,68.589 U2.14@92.283,95.589 U2.14@92.283,122.589 U2.15@34.283,41.189 U2.15@34.283,68.189 U2.15@34.283,95.189 U2.15@34.283,122.189 U2.15@92.283,14.189 U2.15@92.283,41.189 U2.15@92.283,68.189 U2.15@92.283,95.189 U2.15@92.283,122.189 U2.16@34.283,40.789 U2.16@34.283,67.789 U2.16@34.283,94.789 U2.16@34.283,121.789 U2.16@92.283,13.789 U2.16@92.283,40.789 U2.16@92.283,67.789 U2.16@92.283,94.789 U2.16@92.283,121.789 U2.17@34.883,40.189 U2.17@34.883,67.189 U2.17@34.883,94.189 U2.17@34.883,121.189 U2.17@92.883,13.189 U2.17@92.883,40.189 U2.17@92.883,67.189 U2.17@92.883,94.189 U2.17@92.883,121.189 U2.18@35.283,40.189 U2.18@35.283,67.189 U2.18@35.283,94.189 U2.18@35.283,121.189 U2.18@93.283,13.189 U2.18@93.283,40.189 U2.18@93.283,67.189 U2.18@93.283,94.189 U2.18@93.283,121.189 U2.19@35.683,40.189 U2.19@35.683,67.189 U2.19@35.683,94.189 U2.19@35.683,121.189 U2.19@93.683,13.189 U2.19@93.683,40.189 U2.19@93.683,67.189 U2.19@93.683,94.189 U2.19@93.683,121.189 U2.20@36.083,40.189 U2.20@36.083,67.189 U2.20@36.083,94.189 U2.20@36.083,121.189 U2.20@94.083,13.189 U2.20@94.083,40.189 U2.20@94.083,67.189 U2.20@94.083,94.189 U2.20@94.083,121.189 U2.21@36.483,40.189 U2.21@36.483,67.189 U2.21@36.483,94.189 U2.21@36.483,121.189 U2.21@94.483,13.189 U2.21@94.483,40.189 U2.21@94.483,67.189 U2.21@94.483,94.189 U2.21@94.483,121.189 U2.22@36.883,40.189 U2.22@36.883,67.189 U2.22@36.883,94.189 U2.22@36.883,121.189 U2.22@94.883,13.189 U2.22@94.883,40.189 U2.22@94.883,67.189 U2.22@94.883,94.189 U2.22@94.883,121.189 U2.23 U2.24 U2.25@38.283,40.789 U2.25@38.283,67.789 U2.25@38.283,94.789 U2.25@38.283,121.789 U2.25@96.283,13.789 U2.25@96.283,40.789 U2.25@96.283,67.789 U2.25@96.283,94.789 U2.25@96.283,121.789 U2.26@38.283,41.189 U2.26@38.283,68.189 U2.26@38.283,95.189 U2.26@38.283,122.189 U2.26@96.283,14.189 U2.26@96.283,41.189 U2.26@96.283,68.189 U2.26@96.283,95.189 U2.26@96.283,122.189 U2.27@38.283,41.589 U2.27@38.283,68.589 U2.27@38.283,95.589 U2.27@38.283,122.589 U2.27@96.283,14.589 U2.27@96.283,41.589 U2.27@96.283,68.589 U2.27@96.283,95.589 U2.27@96.283,122.589 U2.28@38.283,41.989 U2.28@38.283,68.989 U2.28@38.283,95.989 U2.28@38.283,122.989 U2.28@96.283,14.989 U2.28@96.283,41.989 U2.28@96.283,68.989 U2.28@96.283,95.989 U2.28@96.283,122.989 U2.29@38.283,42.389 U2.29@38.283,69.389 U2.29@38.283,96.389 U2.29@38.283,123.389 U2.29@96.283,15.389 U2.29@96.283,42.389 U2.29@96.283,69.389 U2.29@96.283,96.389 U2.29@96.283,123.389 U2.30@38.283,42.789 U2.30@38.283,69.789 U2.30@38.283,96.789 U2.30@38.283,123.789 U2.30@96.283,15.789 U2.30@96.283,42.789 U2.30@96.283,69.789 U2.30@96.283,96.789 U2.30@96.283,123.789 U2.31@38.283,43.189 U2.31@38.283,70.189 U2.31@38.283,97.189 U2.31@38.283,124.189 U2.31@96.283,16.189 U2.31@96.283,43.189 U2.31@96.283,70.189 U2.31@96.283,97.189 U2.31@96.283,124.189 U2.32@38.283,43.589 U2.32@38.283,70.589 U2.32@38.283,97.589 U2.32@38.283,124.589 U2.32@96.283,16.589 U2.32@96.283,43.589 U2.32@96.283,70.589 U2.32@96.283,97.589 U2.32@96.283,124.589 U3.1@7.962,47.589 U3.1@7.962,74.589 U3.1@7.962,101.589 U3.1@7.962,128.589 U3.1@65.962,20.589 U3.1@65.962,47.589 U3.1@65.962,74.589 U3.1@65.962,101.589 U3.1@65.962,128.589 U3.2@7.962,49.489 U3.2@7.962,76.489 U3.2@7.962,103.489 U3.2@7.962,130.489 U3.2@65.962,22.489 U3.2@65.962,49.489 U3.2@65.962,76.489 U3.2@65.962,103.489 U3.2@65.962,130.489 U3.3@5.93,48.539 U3.3@5.93,75.539 U3.3@5.93,102.539 U3.3@5.93,129.539 U3.3@63.93,21.539 U3.3@63.93,48.539 U3.3@63.93,75.539 U3.3@63.93,102.539 U3.3@63.93,129.539 UB1. UB1.1@48.641,40.141 UB1.1@48.641,67.141 UB1.1@48.641,94.141 UB1.1@48.641,121.141 UB1.1@106.641,13.141 UB1.1@106.641,40.141 UB1.1@106.641,67.141 UB1.1@106.641,94.141 UB1.1@106.641,121.141 UB1.2@47.371,40.141 UB1.2@47.371,67.141 UB1.2@47.371,94.141 UB1.2@47.371,121.141 UB1.2@105.371,13.141 UB1.2@105.371,40.141 UB1.2@105.371,67.141 UB1.2@105.371,94.141 UB1.2@105.371,121.141 UB1.3 UB1.4@44.831,40.141 UB1.4@44.831,67.141 UB1.4@44.831,94.141 UB1.4@44.831,121.141 UB1.4@102.831,13.141 UB1.4@102.831,40.141 UB1.4@102.831,67.141 UB1.4@102.831,94.141 UB1.4@102.831,121.141 UB1.5@44.831,34.941 UB1.5@44.831,61.941 UB1.5@44.831,88.941 UB1.5@44.831,115.941 UB1.5@102.831,7.941 UB1.5@102.831,34.941 UB1.5@102.831,61.941 UB1.5@102.831,88.941 UB1.5@102.831,115.941 UB1.6@46.101,34.941 UB1.6@46.101,61.941 UB1.6@46.101,88.941 UB1.6@46.101,115.941 UB1.6@104.101,7.941 UB1.6@104.101,34.941 UB1.6@104.101,61.941 UB1.6@104.101,88.941 UB1.6@104.101,115.941 UB1.7 UB1.8@48.641,34.941 UB1.8@48.641,61.941 UB1.8@48.641,88.941 UB1.8@48.641,115.941 UB1.8@106.641,7.941 UB1.8@106.641,34.941 UB1.8@106.641,61.941 UB1.8@106.641,88.941 UB1.8@106.641,115.941 X1.1@37.604,49.975 X1.1@37.604,76.975 X1.1@37.604,103.975 X1.1@37.604,130.975 X1.1@95.604,22.975 X1.1@95.604,49.975 X1.1@95.604,76.975 X1.1@95.604,103.975 X1.1@95.604,130.975 X1.2@35.704,49.975 X1.2@35.704,76.975 X1.2@35.704,103.975 X1.2@35.704,130.975 X1.2@93.704,22.975 X1.2@93.704,49.975 X1.2@93.704,76.975 X1.2@93.704,103.975 X1.2@93.704,130.975 X1.3@35.704,48.475 X1.3@35.704,75.475 X1.3@35.704,102.475 X1.3@35.704,129.475 X1.3@93.704,21.475 X1.3@93.704,48.475 X1.3@93.704,75.475 X1.3@93.704,102.475 X1.3@93.704,129.475 X1.4@37.604,48.475 X1.4@37.604,75.475 X1.4@37.604,102.475 X1.4@37.604,129.475 X1.4@95.604,21.475 X1.4@95.604,48.475 X1.4@95.604,75.475 X1.4@95.604,102.475 X1.4@95.604,129.475 XX1.1@53.047,43.84 XX1.1@53.047,70.84 XX1.1@53.047,97.84 XX1.1@53.047,124.84 XX1.1@111.047,16.84 XX1.1@111.047,43.84 XX1.1@111.047,70.84 XX1.1@111.047,97.84 XX1.1@111.047,124.84 XX1.2@53.047,42.54 XX1.2@53.047,69.54 XX1.2@53.047,96.54 XX1.2@53.047,123.54 XX1.2@111.047,15.54 XX1.2@111.047,42.54 XX1.2@111.047,69.54 XX1.2@111.047,96.54 XX1.2@111.047,123.54 Y1.1@50.38,39.268 Y1.1@50.38,66.268 Y1.1@50.38,93.268 Y1.1@50.38,120.268 Y1.1@108.38,12.268 Y1.1@108.38,39.268 Y1.1@108.38,66.268 Y1.1@108.38,93.268 Y1.1@108.38,120.268 Y1.2@50.38,40.668 Y1.2@50.38,67.668 Y1.2@50.38,94.668 Y1.2@50.38,121.668 Y1.2@108.38,13.668 Y1.2@108.38,40.668 Y1.2@108.38,67.668 Y1.2@108.38,94.668 Y1.2@108.38,121.668 Y1.3